# Altium PCB SAMD21_Xplained_Pro.PcbDoc (part 1 of 2) (continued)
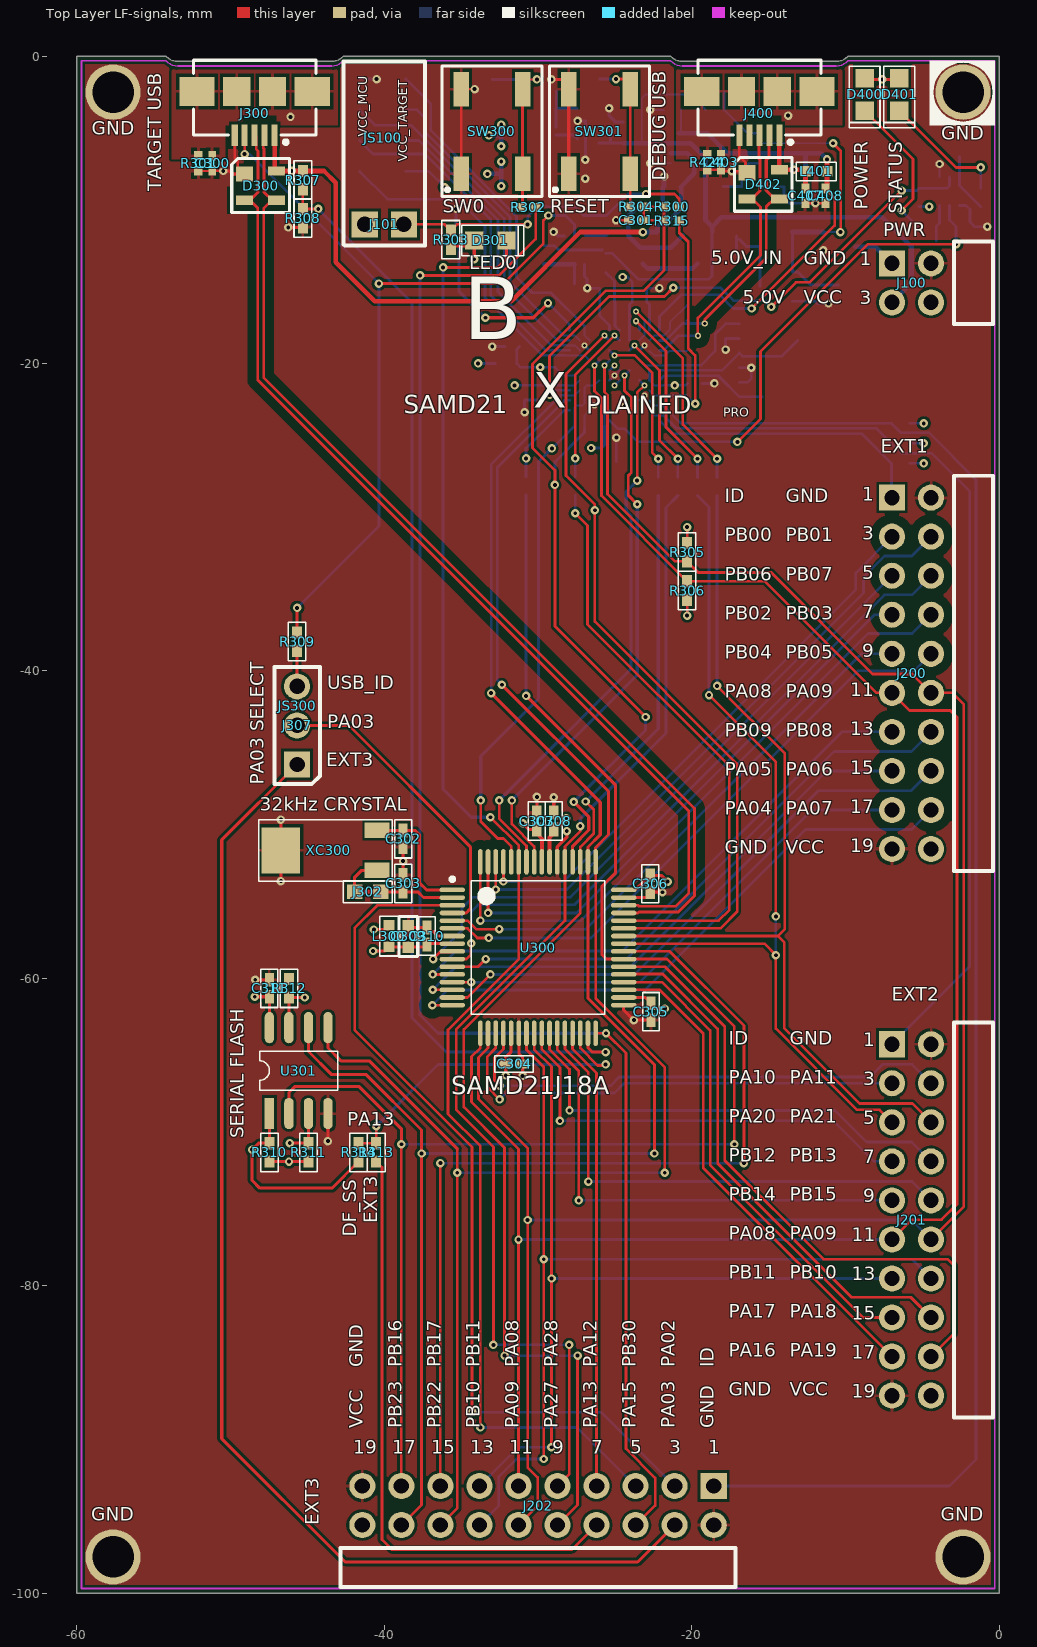
[diagram p0: Top Layer LF-signals view]
## Footprints (in the part's own frame and the unit in brackets; to place one, negate y for a bottom-side part, rotate by r counter-clockwise, add the part's x,y. Pads: shape width x height; smd on the part's side, far side on the other; paste and mask are expansions set on the pad)
AP1-00001 [mm] "Standard 0402 SMD capacitor footprint"
  rect 0.9x0.6 smd: 1(-0.55,0) 2(0.55,0)
  silkscreen extent -1.25,-0.55 1.25,0.55, body extent -0.5,-0.3 0.5,0.3, height 0.2
AP1-00036 [mm] "SMD capacitors: 3216-18 EIA Case 1206, polarized"
  rect 0.95x1.75 smd: 1(-1.475,0) 2(1.475,0)
  silkscreen extent -2.95,-1.12 2.2,1.12, body extent -1.6,-0.8 1.6,0.8, height 1
AP1-00039 [mil] "Capacitor 0603 Hight 0.8mm"
  rect 30x30 smd: 1(-27.5,0) 2(27.5,0)
  silkscreen extent -52,-24 51,24, body extent -31,-16 32,16, height 12
AP1-00053 [mm] "Chip Capacitor, 2-Leads, Body 1.0x0.5mm, IPC High Density"
  rect 0.65x0.5 smd: 1(-0.475,0) 2(0.475,0)
  body extent -0.5,-0.3 0.5,0.3, height 0.2
AP2-00000 [mm] "Standard 0402 SMD resistor footprint"
  rect 0.8x0.65 smd: 1(-0.6,0) 2(0.6,0)
  silkscreen extent -1.25,-0.58 1.25,0.58, body extent -0.5,-0.3 0.5,0.3, height 0.2
AP2-00011 [mm] "Chip Resistor, 2-Leads, Body 1,0x0,5mm, IPC High Density"
  rect 0.6x0.55 smd: 1(-0.5,0) 2(0.5,0)
  body extent -0.5,-0.3 0.5,0.3, height 0.2
AP3-00005 [mm]
  rect 0.7x0.7 smd: 1(-0.7,0) 2(0.7,0)
  silkscreen extent -1.3,-0.6 1.3,0.6, body extent -0.83,-0.41 0.82,0.41, height 0.8
AP4-00001 [mm]
  rect 1.1x1 smd: 1(0,0)
  rect 1.1x0.6 smd: 2(0,-1.7) 3(2.1,-1.7) 4(2.1,0.2)
  silkscreen extent -0.82,-2.5 2.93,1, body extent -0.13,-2.2 2.23,0.7, height 1.21
AP4-00013 [mm] "0805 diode footprint"
  rect 1.2x1.2 smd: 1(-1.05,0) 2(1.05,0)
  silkscreen extent -2.16,-1 1.85,1, body extent -1,-0.63 1,0.63, height 1.1
AP5-00001 [mm]
  rect 0.85x0.35 smd: 1(-0.925,0.65) 2(-0.925,0) 3(-0.925,-0.65) 4(0.925,-0.65) 5(0.925,0) 6(0.925,0.65)
  silkscreen extent -1.6,-1.35 1.6,1.35, body extent -1.05,-1 1.05,1, height 0.95
AP5-00002 [mm] "SOT-23 Package"
  rect 1.3x0.6 smd: 1(-1.05,0.95) 2(-1.05,-0.95) 3(1.05,0)
  silkscreen extent -1.95,-1.78 1.95,1.78, body extent -1.25,-1.46 1.23,1.46, height 1
AP6-00054 [mm]
  rect 1.7x0.35 smd: 1(-2.85,0.975) 2(-2.85,0.325) 3(-2.85,-0.325) 4(-2.85,-0.975) 5(2.85,-0.975) 6(2.85,-0.325) 7(2.85,0.325) 8(2.85,0.975)
  silkscreen extent -2.98,1.58 -2.73,1.82, body extent -3.23,-1.55 3.23,1.55, height 1.25
AP6-00173 [mm] "TSQFP, 64-Leads, Body 12.0x12.0mm (max), Pitch 0.50mm, IPC Medium Density"
  oval 1.65x0.3 smd: 1(-5.575,3.75) 2(-5.575,3.25) 3(-5.575,2.75) 4(-5.575,2.25) 5(-5.575,1.75) 6(-5.575,1.25) 7(-5.575,0.75) 8(-5.575,0.25) 9(-5.575,-0.25) 10(-5.575,-0.75) 11(-5.575,-1.25) 12(-5.575,-1.75) 13(-5.575,-2.25) 14(-5.575,-2.75) 15(-5.575,-3.25) 16(-5.575,-3.75) 33(5.575,-3.75) 34(5.575,-3.25) 35(5.575,-2.75) 36(5.575,-2.25) 37(5.575,-1.75) 38(5.575,-1.25) 39(5.575,-0.75) 40(5.575,-0.25) 41(5.575,0.25) 42(5.575,0.75) 43(5.575,1.25) 44(5.575,1.75) 45(5.575,2.25) 46(5.575,2.75) 47(5.575,3.25) 48(5.575,3.75)
  oval 0.3x1.65 smd: 17(-3.75,-5.575) 18(-3.25,-5.575) 19(-2.75,-5.575) 20(-2.25,-5.575) 21(-1.75,-5.575) 22(-1.25,-5.575) 23(-0.75,-5.575) 24(-0.25,-5.575) 25(0.25,-5.575) 26(0.75,-5.575) 27(1.25,-5.575) 28(1.75,-5.575) 29(2.25,-5.575) 30(2.75,-5.575) 31(3.25,-5.575) 32(3.75,-5.575) 49(3.75,5.575) 50(3.25,5.575) 51(2.75,5.575) 52(2.25,5.575) 53(1.75,5.575) 54(1.25,5.575) 55(0.75,5.575) 56(0.25,5.575) 57(-0.25,5.575) 58(-0.75,5.575) 59(-1.25,5.575) 60(-1.75,5.575) 61(-2.25,5.575) 62(-2.75,5.575) 63(-3.25,5.575) 64(-3.75,5.575)
  silkscreen extent -5.7,-4.35 4.35,4.57, body extent -6,-6 6,6, height 1.2
AP6-00206 [mm] "100 ball (10x10 array) VFBGA. Pitch 0.65 mm. Width: 7 mm. Length: 7mm. Height: 1 mm"
  round 0.28 smd: A1(-2.925,2.925) A2(-2.275,2.925) A3(-1.625,2.925) A4(-0.975,2.925) A5(-0.325,2.925) A6(0.325,2.925) A7(0.975,2.925) A8(1.625,2.925) A9(2.275,2.925) A10(2.925,2.925) B1(-2.925,2.275) B2(-2.275,2.275) B3(-1.625,2.275) B4(-0.975,2.275) B5(-0.325,2.275) B6(0.325,2.275) B7(0.975,2.275) B8(1.625,2.275) B9(2.275,2.275) B10(2.925,2.275) C1(-2.925,1.625) C2(-2.275,1.625) C3(-1.625,1.625) C4(-0.975,1.625) C5(-0.325,1.625) C6(0.325,1.625) C7(0.975,1.625) C8(1.625,1.625) C9(2.275,1.625) C10(2.925,1.625) D1(-2.925,0.975) D2(-2.275,0.975) D3(-1.625,0.975) D4(-0.975,0.975) D5(-0.325,0.975) D6(0.325,0.975) D7(0.975,0.975) D8(1.625,0.975) D9(2.275,0.975) D10(2.925,0.975) E1(-2.925,0.325) E2(-2.275,0.325) E3(-1.625,0.325) E4(-0.975,0.325) E5(-0.325,0.325) E6(0.325,0.325) E7(0.975,0.325) E8(1.625,0.325) E9(2.275,0.325) E10(2.925,0.325) F1(-2.925,-0.325) F2(-2.275,-0.325) F3(-1.625,-0.325) F4(-0.975,-0.325) F5(-0.325,-0.325) F6(0.325,-0.325) F7(0.975,-0.325) F8(1.625,-0.325) F9(2.275,-0.325) F10(2.925,-0.325) G1(-2.925,-0.975) G2(-2.275,-0.975) G3(-1.625,-0.975) G4(-0.975,-0.975) G5(-0.325,-0.975) G6(0.325,-0.975) G7(0.975,-0.975) G8(1.625,-0.975) G9(2.275,-0.975) G10(2.925,-0.975) H1(-2.925,-1.625) H2(-2.275,-1.625) H3(-1.625,-1.625) H4(-0.975,-1.625) H5(-0.325,-1.625) H6(0.325,-1.625) H7(0.975,-1.625) H8(1.625,-1.625) H9(2.275,-1.625) H10(2.925,-1.625) J1(-2.925,-2.275) J2(-2.275,-2.275) J3(-1.625,-2.275) J4(-0.975,-2.275) J5(-0.325,-2.275) J6(0.325,-2.275) J7(0.975,-2.275) J8(1.625,-2.275) J9(2.275,-2.275) J10(2.925,-2.275) K1(-2.925,-2.925) K2(-2.275,-2.925) K3(-1.625,-2.925) K4(-0.975,-2.925) K5(-0.325,-2.925) K6(0.325,-2.925) K7(0.975,-2.925) K8(1.625,-2.925) K9(2.275,-2.925) K10(2.925,-2.925)
  silkscreen extent -4.15,-4.15 4.15,4.15, body extent -3.5,-3.5 3.5,3.5, height 1.01
AP6-00338 [mm] "8-lead 3.0x2.0 mm Body, 0.50 mm Pitch,  VDFN, Very Thin, Dual Flat No-Lead Package"
  round 0.4 on Bottom Paste: 0(-0.425,-0.4) 0(-0.425,0.4) 0(0,0) 0(0.425,-0.4) 0(0.425,0.4)
  rect 0.6x0.25 smd: 1(-1.4,0.75) 2(-1.4,0.25) 3(-1.4,-0.25) 4(-1.4,-0.75) 5(1.4,-0.75) 6(1.4,-0.25) 7(1.4,0.25) 8(1.4,0.75)
  rect 1.6x1.5 smd paste-0.7: 9(0,0)
  silkscreen extent -2.26,-1.3 2.2,1.33, body extent -1.53,-1 1.53,1, height 0.92
AP7-00039 [mm] "FOX FQ5032B"
  rect 1.6x1.3 smd: 1(-1.9,-1.15) 2(1.9,-1.15) 3(1.9,1.15) 4(-1.9,1.15)
  silkscreen extent -3,-2.1 3,2.1, body extent -2.7,-1.8 2.7,1.8, height 1.2
AP7-00044 [mm]
  rect 1x1.6 smd: 1(-1.3,0) 2(1.3,0)
  rect 3x2.5 smd: 3(0,6.25)
  silkscreen extent -2,-1 2,7.7, body extent -1.5,-0.7 1.5,7.4, height 2.08
AP8-00010#1 [mm] "Testpad 50mil"
  round 1.27 smd paste-0.635: 1(0.025,0.175)
AP8-00010#2 [mm] "Testpad 50mil"
  round 1.27 smd paste-0.635: 1(0,0)
AP8-00137 [mm]
  rect 2.25x1 smd: 1(-2.75,2) 2(2.75,2) 3(-2.75,-2) 4(2.75,-2)
  silkscreen extent -4.25,-3.25 4.25,3.25, body extent -3.4,-3.21 3.4,3.22, height 3.47
AP8-00192 [mm]
  silkscreen extent -4,-4 4,4, body extent -3.97,-3.99 4,3.99, height 2.79
AP8-00317 [mm] "Placement area for 18x6mm sticker"
  silkscreen extent 0,0 18,6
AP8-00367 [mm] "1x2 pin header, right angle, 2.54 mm pitch, through-hole"
  rect 1.7x1.7 / inner round 1.7 / far side round 1.7 hole 1: 1(-1.27,0) 2(1.27,0)
  silkscreen extent -2.65,-1.38 2.66,10.6, body extent -2.54,-0.33 2.54,9.99, height 2.55
AP8-00417 [mil]
  rect 24x80 smd: 1(0,0)
  oval 24x80 smd: 2(50,0) 3(100,0) 4(150,0) 5(150,220) 6(100,220) 7(50,220) 8(0,220)
  silkscreen extent -25,60 175,160, body extent -22,-6 171,222, height 57
AP8-00525 [mm] "Jumper 2.54mm, 3D"
  body extent -2.49,0 2.49,5.97, height 2.52
AP8-00604 [mm] "Micro USB connector SMD"
  rect 0.4x1.4 smd: 1(-1.3,2.85) 2(-0.65,2.85) 3(0,2.85) 4(0.65,2.85) 5(1.3,2.85)
  rect 2.3x1.9 smd: 6(-3.75,0) 9(3.75,0)
  rect 1.775x1.9 smd: 7(-1.162,0) 8(1.162,0)
  silkscreen extent -4,-2.02 3.99,3.42, body extent -4.4,-2.77 4.4,2.86, height 2.76
AP8-00622 [mm] "2x10 Right angle 2.54mm THM"
  rect 1.7x1.7 / inner round 1.7 / far side rect 1.7x1.7 hole 1: 1(-11.43,-1.27)
  rect 2.1x2.1 on Top Paste: 1(-11.43,-1.27) 2(-11.43,1.27) 3(-8.89,-1.27) 4(-8.89,1.27) 5(-6.35,-1.27) 6(-6.35,1.27) 7(-3.81,-1.27) 8(-3.81,1.27) 9(-1.27,-1.27) 10(-1.27,1.27) 11(1.27,-1.27) 12(1.27,1.27) 13(3.81,-1.27) 14(3.81,1.27) 15(6.35,-1.27) 16(6.35,1.27) 17(8.89,-1.27) 18(8.89,1.27) 19(11.43,-1.27) 20(11.43,1.27)
  round 1.7 hole 1: 2(-11.43,1.27) 3(-8.89,-1.27) 4(-8.89,1.27) 5(-6.35,-1.27) 6(-6.35,1.27) 7(-3.81,-1.27) 8(-3.81,1.27) 9(-1.27,-1.27) 10(-1.27,1.27) 11(1.27,-1.27) 12(1.27,1.27) 13(3.81,-1.27) 14(3.81,1.27) 15(6.35,-1.27) 16(6.35,1.27) 17(8.89,-1.27) 18(8.89,1.27) 19(11.43,-1.27) 20(11.43,1.27)
  silkscreen extent -12.85,2.77 12.85,5.31, body extent -12.7,-1.59 12.7,11.29, height 5
AP8-00628 [mm] "2x2 Right angle 2.54mm THM"
  rect 1.7x1.7 / inner round 1.7 / far side rect 1.7x1.7 hole 1: 1(-1.27,-1.27)
  rect 2.1x2.1 on Top Paste: 1(-1.27,-1.27) 2(-1.27,1.27) 3(1.27,-1.27) 4(1.27,1.27)
  round 1.7 hole 1: 2(-1.27,1.27) 3(1.27,-1.27) 4(1.27,1.27)
  silkscreen extent -2.69,2.77 2.67,5.31, body extent -2.54,-1.52 2.54,11.36, height 5
AP8-00745 [mm] "THM Pin-header 1x3 100mil pitch, 1mm hole"
  rect 1.7x1.7 / inner round 1.7 / far side rect 1.7x1.7 hole 1: 1(-2.54,0)
  rect 2.1x2.1 on Top Paste: 1(-2.54,0) 2(0,0) 3(2.54,0)
  round 1.7 hole 1: 2(0,0) 3(2.54,0)
  silkscreen extent -3.81,-1.48 3.81,1.48, body extent -3.81,-1.27 3.81,1.27, height 8.38
AP9-00044 [mm]
  rect 1x0.95 smd paste-1: 1(-0.85,0) 2(0.85,0)
  Top Layer LF-signals region: -0.45,-0.15 0.45,-0.15 0.45,0.15 -0.45,0.15
  silkscreen extent -1.6,-0.72 1.6,0.72, body extent -0.8,-0.4 0.8,0.4, height 0.3

## Part data
C100: library part A01-0324, "SMD tantalum capacitor, ESR = 1.7, 3216-18 (EIA) 1206,"
C101: library part A01-0377, "Ceramic capacitor, SMD 0603, X5R, 10V, 10% (de31036)"
C102 C103 C301 C304 C305 C306 C307 C310 C311 C404 C410 C411 C412 C413: library part A01-0246, "Ceramic capacitor, SMD 0402, X7R, 16V, +/-10%"
C300 C403: library part A01-0046, "Ceramic capacitor, SMD 0402, X7R, 25V, +/-10%"
C302 C303: library part A01-0013, "Ceramic capacitor, SMD 0402, NP0, 50V, +/-5%"
C308: library part A01-0286, "Ceramic capacitor, SMD 0402, X5R, 6.3V, +/-10% (de26942)"
C309: library part A01-0491, "Ceramic capacitor, SMD 0603, X5R, 16V, 10UF ± 20% (High Density)"
C400 C401: library part A01-0019, "Ceramic capacitor, SMD 0402, NP0, 50V, +/-5%"
C402: library part A01-0015, "Ceramic capacitor, SMD 0402, NP0, 50V, +/-5%"
C405 C409 C414 C415: library part A01-0300, "Ceramic capacitor, SMD 0402, X5R, 6.3V, +/-20%"
C406 C407 C408: library part A01-0321, "Ceramic capacitor, SMD 0402, C0G, 50V, +/-5%"
D300 D402: library part A06-0236, "Double rail-to-rail USB ESD protection diode"
D301 D401: library part A10-0019, "LED, Yellow, Wave length=591nm, SMD 0805, ±70°"
D400: library part A10-0018, "LED, Green, Wave length=575nm, SMD 0805, ±70°"
E1 E2 E3 E4: library part A08-0053, "2.8mm adhesive feet,diam 8.0mm"
J100: library part A08-1519, "Pin header, 2x2, Right Angle, 2.54mm, THT, Pin In Paste"
J101: library part A08-0764, "1x2 pin header, right angle, 2.54 mm pitch, through-hole"
J200 J201 J202: library part A08-1513, "Pin header, 2x10, Right Angle, 2.54mm, THM, Pin In Paste"
J300 J400: library part A08-1368, "Micro USB AB Connector"
J302: library part A09-0783, "Default closed SMD strap, 0603 size"
J307: library part A08-1799, "1x3 pin header, 2.54mm pitch, Pin-in-Paste THM, 1mm hole"
JS100 JS300: library part A08-0543, "Jumper cap for 2.54mm pinheader"
L300 L401 L402: library part A03-0035, "SMD RF inductor 0603. Z=470Ohm (@100MHz), Max R(dc)=0.65Ohm, Max current=1A"
LABEL1: library part A09-0611, "PCBA identification label PP Top White Gloss"
Q100 Q101 Q103 Q104: library part A05-0087, "P-ch. MOSFET. -30V, -3.7A continuous,RDS(ON)=0.05Ohm@VGS=-4,5V, RDS(ON)=0.08Ohm@VGS=-2.5V"
Q102: library part A05-0085, "N-Channel MOSFET. 60V, 0.300A continuous, 1.2A Peak. RDS(ON) = 3.8Ohm@VGS=4.5V, VGS(th)<2.5V"
Q105 Q400: library part A05-0051, "Dual N-Channel MOSFET, 60V, 115mA cont,RDS(ON) < 7.5 Ohm @50mA@5V, SOT-363"
R100: library part A02-0242, "Thick film resistor, SMD 0402, 1/16W, 1%"
R101 R104 R105 R301 R410 R413 R424: library part A02-0284, "Thick film resistor, SMD 0402, 1/16W, 1%"
R102 R307: library part A02-0247, "Thick film resistor, SMD 0402, 1/16W, 1%"
R103 R107 R111 R112 R300 R310 R311 R312: library part A02-0260, "Thick film resistor, SMD 0402, 1/16W, 1%"
R106: library part A02-0202, "Thick film resistor, SMD 0402, 1/16W, 1%"
R108 R425: library part A02-0163, "Thick film resistor, SMD 0402, 1/16W, 1%"
R109 R110 R113 R308: library part A02-0252, "Thick film resistor, SMD 0402, 1/16W, 1%"
R302 R304 R315 R421 R422: library part A02-0178, "Thick film resistor, SMD 0402, 1/16W, 1%"
R303 R309 R411 R412 R414 R416 R417 R418 R419 R420: library part A02-0200, "Thick film resistor, SMD 0402, 1/16W, 1%"
R305 R306: library part A02-0228, "Thick film resistor, SMD 0402, 1/16W, 1%"
R313 R314: library part A02-0163, "RES 0.0 OHM 1/16W 0402 SMD"
R401 R402 R409: library part A02-0212, "Thick film resistor, SMD 0402, 1/16W, 1%"
R423: library part A02-0539, "Thick film resistor, SMD 0402, 1/16W, 1%"
SW300 SW301: library part A08-0790, "6.2x6.2 mm SMD tact switch, same as A08-0091 but less force is needed"
TP300 TP301 TP400 TP401 TP402 TP403 TP404 TP405 TP406 TP407: library part A08-0004, "Single SMD testpad"
U100: library part A06-0957, "500mA LDO, ADJ, low noise, 8-DFN package"
U101: library part A06-0068, "Autoswitching 2:1 Power Mux"
U300: library part A06-1041, "Atmel 32-bit RISC MCU 64pin"
U301: library part A06-1051, "8Mbit SPI serial flash memory"
U400: library part A06-0736, "AVR 32-bit RISC MCU"
XC300: library part A07-0052, "32k768 crystal, +-20ppm, CL=7pF, max ESR 60kOhm, SMD"
XC400: library part A07-0042, "Fox FQ5032B 12.0MHz SMD crystal 738B-12"

## Free pads (board coordinates)
  round 0.8 smd far side paste-1: 3(-31.2,-3.425) 3(-28.8,-2.275) 3(-27.625,-14.825) 3(-25.575,-14.1) 3(-23.575,-9.875) 3(-21.4,-13.825) 3(-18.9,-19.65) 3(-17.95,-8.5) 3(-17.9,-2.3) 3(-17.1,-12.95) 3(-14.075,-6.325) 3(-10.475,-14.9) 3(-4.1,-12.025) 3(-2.575,-6.55)
  round 3.6 hole 2.7 paste-2.6: 666(-57.65,-97.65) 666(-57.65,-2.35) 666(-2.35,-97.65) 666(-2.35,-2.35)

## Via types
v1: diameter 0.55, hole 0.25, Top Layer LF-signals to Bottom Layer LF-signals, 70 vias
v2: diameter 0.55, hole 0.25, Top Layer LF-signals to Bottom Layer LF-signals, tented both sides, 42 vias
v3: diameter 0.55/0.8 (per signal layer), hole 0.25, Top Layer LF-signals to Bottom Layer LF-signals, tented top, 32 vias
v4: diameter 0.55, hole 0.25, Top Layer LF-signals to Bottom Layer LF-signals, tented top, 32 vias
v5: diameter 0.4, hole 0.2, Top Layer LF-signals to Bottom Layer LF-signals, tented both sides, 12 vias
v6: diameter 0.4, hole 0.2, Top Layer LF-signals to Bottom Layer LF-signals, tented top, 8 vias

## Nets (pads, with @x,y where several pads share a name; then routed paths per layer and width w, separated by ;. In a path a pad name is that pad's centre, name@x,y a point inside that pad or via, vN(x,y) a via of type N, cw(c..) or ccw(c..) an arc to the next point about the centre after c; other vN are vias at no path point)
DGI_GPIO0: R416.2 U400.F8 | length 10.3
  Top Layer LF-signals w0.175: v5(-25.025,-19.475) -23.7,-19.475 -22.575,-20.6 -22.575,-25.8 v3(-22.175,-26.2)
  Bottom Layer LF-signals w0.175: U400.F8@-25.35,-19.15 v5(-25.025,-19.475) ; R416.2@-22.175,-27.4 v3(-22.175,-26.2)
DGI_GPIO1: R417.2 U400.D8 | length 10.2
  Top Layer LF-signals w0.125: v3@-20.886,-26.2 v3@-20.875,-26.2
  Top Layer LF-signals w0.175: v5(-23.725,-18.825) -22.1,-20.45 -22.1,-25 v3(-20.9,-26.2)
  Bottom Layer LF-signals w0.175: U400.D8@-24.05,-19.15 v5(-23.725,-18.825) ; R417.2@-20.9,-27.4 v3(-20.9,-26.2)
DGI_GPIO2: R418.2 U400.C10 | length 12.5
  Top Layer LF-signals w0.175: v5(-23.625,-17.25) -21.675,-19.2 -21.675,-24.15 v3(-19.625,-26.2)
  Bottom Layer LF-signals w0.175: v5(-23.625,-17.25) -23.4,-17.475 U400.C10@-23.4,-17.85 ; R418.2@-19.625,-27.4 v3(-19.625,-26.2)
DGI_GPIO3: R419.2 U400.C9 | length 15.2
  Top Layer LF-signals w0.175: v5(-23.625,-16.625) -20.575,-19.675 -20.575,-23.975 v3(-18.35,-26.2)
  Bottom Layer LF-signals w0.125: v5(-23.625,-16.625) -23.075,-17.175 -23.075,-18.175 U400.C9@-23.4,-18.5
  Bottom Layer LF-signals w0.175: R419.2@-18.35,-27.4 v3(-18.35,-26.2)
EDBG_ADC0: R109.1 R110.2 U400.K10 | length 13.8
  Top Layer LF-signals w0.2: v3(-33.425,-17.025) -30.3,-17.025 v2(-29.35,-16.075)
  Bottom Layer LF-signals w0.175: v2(-29.35,-16.075) -27.95,-17.475 U400.K10@-27.95,-17.85
  Bottom Layer LF-signals w0.2: R109.1@-36.6,-12.15 R110.2@-35.325,-12.15 -35.154,-12.321 -35.154,-15.296 v3(-33.425,-17.025)
EDBG_CDC_USART_RX: U300.43 U400.F9 | length 51.4
  Top Layer LF-signals w0.175: v6(-25.675,-18.175) -28.175,-20.675 -28.175,-27.299 -26.3,-29.174 v3(-26.3,-29.55) -26.3,-36.8 -17.046,-46.054 -17.046,-55.671 -18.125,-56.75 U300.43@-24.425,-56.75
  Bottom Layer LF-signals w0.175: v6(-25.675,-18.175) U400.F9@-25.35,-18.5
EDBG_CDC_USART_TX: R414.2 U400.E9 | length 10.7
  Top Layer LF-signals w0.175: v3(-27.575,-26.175) -27.575,-20.725 v6(-25.025,-18.175)
  Bottom Layer LF-signals w0.175: R414.2@-27.575,-27.375 v3(-27.575,-26.175) ; v6(-25.025,-18.175) U400.E9@-24.7,-18.5
EDBG_DGI_SCL: J200.12@-4.43,-41.43 J201.12@-4.43,-76.99 J202.12@-31.27,-95.57 R305.1 U300.18 U400.F7 | length 134.6
  Top Layer LF-signals w0.175: U300.18@-33.25,-63.575 -33.25,-64.525 -33.875,-65.15 -33.875,-67.85 -30.675,-71.05 v2(-30.675,-75.725) -30.675,-91.825 -30.025,-92.475 -30.025,-94.325 J202.12@-31.27,-95.57 ; v5(-25.675,-20.125) -25.675,-21.85 -25.475,-22.05 -25.475,-28.5 -21.1,-32.875 R305.1@-20.3,-32.875 -19.575,-33.6 -14.825,-33.6 -8.225,-40.2 -5.66,-40.2 J200.12@-4.43,-41.43 -3.045,-41.43 -2.3,-42.175 -2.3,-74.86 J201.12@-4.43,-76.99
  Bottom Layer LF-signals w0.175: v2(-30.675,-75.725) -5.695,-75.725 J201.12@-4.43,-76.99 ; v5(-25.675,-20.125) U400.F7@-25.35,-19.8
EDBG_DGI_SDA: J200.11@-6.97,-41.43 J201.11@-6.97,-76.99 J202.11@-31.27,-93.03 R306.1 U300.17 U400.G7 | length 130.3
  Top Layer LF-signals w0.175: U300.17@-33.75,-63.575 -33.75,-64.525 -34.325,-65.1 -34.325,-68.05 -31.27,-71.105 v2(-31.27,-77) J202.11@-31.27,-93.03 ; v5(-26.325,-20.125) -26.325,-21.8 -25.875,-22.25 -25.875,-28.6 R306.1@-20.3,-34.175 -15.225,-34.175 -7.97,-41.43 J200.11@-6.97,-41.43 -5.825,-42.575 -3.18,-42.575 -2.743,-43.012 -2.743,-74.701 -3.742,-75.7 -5.68,-75.7 J201.11@-6.97,-76.99
  Bottom Layer LF-signals w0.175: v2(-31.27,-77) -31.26,-76.99 J201.11@-6.97,-76.99 ; v5(-26.325,-20.125) U400.G7@-26,-19.8
EDBG_FORCE_BOOT: TP401.1 U400.H9 | length 22.7
  Bottom Layer LF-signals w0.125: -26.976,-17.574 -26.976,-18.174 U400.H9@-26.65,-18.5
  Bottom Layer LF-signals w0.175: TP401.1@-38.6,-1.5 -36.968,-3.132 -36.968,-4.857 -31.4,-10.425 -31.4,-14.375 -30.375,-15.4 -29.15,-15.4 -26.976,-17.574
EDBG_JTAG_TCK: TP402.1 U400.K9 | length 22.5
  Bottom Layer LF-signals w0.175: TP402.1@-41.6,-3.5 -40.6,-4.5 -38.275,-4.5 -32.2,-10.575 -32.2,-15.025 -28.725,-18.5 U400.K9@-27.95,-18.5
EDBG_JTAG_TDI: TP403.1 U400.K8 | length 22.2
  Bottom Layer LF-signals w0.175: TP403.1@-41.6,-5.5 -40.725,-6.375 -37.339,-6.375 -33.075,-10.639 -33.075,-15.566 -29.491,-19.15 U400.K8@-27.95,-19.15
EDBG_JTAG_TDO: TP404.1 U400.J8 | length 19.7
  Bottom Layer LF-signals w0.125: -28.2,-18.825 -27.625,-18.825 U400.J8@-27.3,-19.15
  Bottom Layer LF-signals w0.175: TP404.1@-38.6,-5.5 -37.754,-5.5 -32.6,-10.654 -32.6,-15.35 -29.125,-18.825 -28.2,-18.825
EDBG_JTAG_TMS: TP405.1 U400.H7 | length 22.8
  Bottom Layer LF-signals w0.125: -28.225,-19.475 -26.975,-19.475 U400.H7@-26.65,-19.8
  Bottom Layer LF-signals w0.175: TP405.1@-41.6,-7.5 -39.787,-9.313 -35.238,-9.313 -33.45,-11.1 -33.45,-15.725 -29.7,-19.475 -28.225,-19.475
EDBG_RESET_N: TP406.1 U400.J9 | length 20.5
  Bottom Layer LF-signals w0.125: -28.35,-18.175 -27.625,-18.175 U400.J9@-27.3,-18.5
  Bottom Layer LF-signals w0.175: TP406.1@-38.6,-3.5 -37.875,-3.5 -37.379,-3.996 -37.379,-4.921 -31.825,-10.475 -31.825,-14.7 -28.35,-18.175
EDBG_SPI_DGI_MISO: R420.1 U400.K2 | length 5.7
  Bottom Layer LF-signals w0.175: R420.1@-30.775,-27.375 v3(-30.775,-26.175) -30.775,-25.525 -28.3,-23.05 U400.K2@-27.95,-23.05
EDBG_SPI_DGI_MOSI: J202.16@-36.35,-95.57 U300.49 U301.5 U400.K3 | length 108.5
  Top Layer LF-signals w0.175: J202.16@-36.35,-95.57 -35.25,-94.47 v2(-35.25,-72.65) -35.25,-71.1 ; U300.49@-26.25,-52.425 -26.25,-61.3 -25.125,-62.425 -21.75,-65.8 v2(-21.75,-72.65)
  Top Layer LF-signals w0.2: U301.5@-43.665,-63.212 -43.665,-64.535 -42.825,-65.375 -40.975,-65.375 -35.25,-71.1 ; v1(-32.35,-40.9) -25.412,-47.837 -25.412,-50.65 -26.25,-51.488 U300.49@-26.25,-52.425
  Bottom Layer LF-signals w0.175: v2(-35.25,-72.65) v2(-21.75,-72.65) ; v1(-32.35,-40.9) -32.65,-40.6 -32.65,-26.775 -28.275,-22.4 U400.K3@-27.95,-22.4
EDBG_SPI_DGI_SCK: J202.18@-38.89,-95.57 U300.50 U301.6 U400.J4 | length 110.1
  Top Layer LF-signals w0.175: J202.18@-38.89,-95.57 -37.575,-94.255 v2(-37.575,-71.4) ; U300.50@-26.75,-52.425 -26.75,-61.3 -22.425,-65.625 v2(-22.425,-71.4)
  Top Layer LF-signals w0.2: U301.6@-44.935,-63.212 -44.935,-64.765 -43.45,-66.25 -41.2,-66.25 -37.575,-69.875 v2(-37.575,-71.4) ; v1(-33.05,-41.45) -25.95,-48.55 -25.95,-50.66 -26.75,-51.46 U300.50@-26.75,-52.425
  Bottom Layer LF-signals w0.125: -28.2,-22.075 -27.625,-22.075 U400.J4@-27.3,-21.75
  Bottom Layer LF-signals w0.175: v2(-37.575,-71.4) v2(-22.425,-71.4) ; v1(-33.05,-41.45) -33.05,-26.575 -28.55,-22.075 -28.2,-22.075
EDBG_SPI_DGI_SS: U300.60 U400.G5 | length 36.1
  Top Layer LF-signals w0.175: v1(-33.725,-48.425) -33.725,-49.8 -32.619,-50.906 -32.244,-50.906 -31.75,-51.4 U300.60@-31.75,-52.425
  Bottom Layer LF-signals w0.125: -27.625,-24.075 -27.625,-22.85 -27.5,-22.725 -27.1,-22.725 -26.975,-22.6 -26.975,-21.575 -26.825,-21.425 -26.325,-21.425 U400.G5@-26,-21.1
  Bottom Layer LF-signals w0.175: v3(-29.1,-25.525) -29.075,-25.525 -27.625,-24.075
  Bottom Layer LF-signals w0.2: v1(-33.725,-48.425) -33.725,-45.561 -29.972,-41.808 -29.972,-26.397 v3(-29.1,-25.525)
EDBG_USB_FS_N: R421.2 U400.B9 | length 3.7
  Bottom Layer LF-signals w0.125: U400.B9@-22.751,-18.524 -22.402,-18.175 -21.8,-18.175 -21.4,-17.775 -21.4,-17.3 R421.2@-20.3,-16.2
EDBG_USB_FS_P: R422.2 U400.B8 | length 2.7
  Bottom Layer LF-signals w0.125: U400.B8@-22.751,-19.174 -22.448,-19.476 -21.726,-19.476 -21.45,-19.2 R422.2@-20.3,-19.2
EDBG_USB_HS_N: D402.3 J400.2 R421.1 U400.A9 | length 18.1
  Top Layer LF-signals w0.18: v6(-19.15,-17.4) -19.15,-17.137 -15.15,-13.137 -15.15,-9.8 -14.65,-9.3 D402.3@-14.3,-9.3
  Top Layer LF-signals w0.2: J400.2@-14.964,-5.672 -14.964,-6.575 -15.15,-6.761 -15.15,-8.75 D402.3@-14.5,-9.4
  Bottom Layer LF-signals w0.18: U400.A9@-22.1,-18.5 -21.712,-18.5 -21.032,-17.82 -21.03,-17.82 -20.61,-17.4 R421.1@-20.1,-17.4 ; R421.1@-20.3,-17.2 R421.1@-20.1,-17.4 ; v6(-19.15,-17.4) R421.1@-20.1,-17.4
EDBG_USB_HS_P: D402.2 J400.3 R422.1 U400.A8 | length 18
  Top Layer LF-signals w0.18: v6(-19.6,-18.2) -19.6,-17.05 -15.53,-12.98 -15.53,-9.82 -16.05,-9.3 D402.2@-16.4,-9.3
  Top Layer LF-signals w0.2: D402.2@-16.05,-9.25 -15.55,-8.75 -15.55,-6.764 -15.614,-6.7 J400.3@-15.614,-5.672
  Bottom Layer LF-signals w0.18: U400.A8@-22.1,-19.15 -21.825,-19.15 -20.875,-18.2 R422.1@-20.3,-18.2 v6(-19.6,-18.2) v6@-19.7,-18.2
GND: C100.2 C101.2 C102.2 C103.2 C300.1 C301.2 C302.2 C303.2 C304.2 C305.2 C306.2 C307.2 C308.2 C309.2 C310.2 C311.2 C400.2 C401.2 C402.2 C403.1 C404.2 C405.2 C406.2 C407.2 C408.2 C409.2 C410.2 C411.2 C412.2 C413.2 C414.2 C415.2 D300.1 D402.1 J100.2@-4.43,-13.49 J200.2@-4.43,-28.73 J200.19@-6.97,-51.59 J201.2@-4.43,-64.29 J201.19@-6.97,-87.15 J202.2@-18.57,-95.57 J202.19@-41.43,-93.03 J300.5 J400.5 pad.666 Q100.1 Q102.2 Q105.1 Q105.4 Q400.1 Q400.4 R100.2 R104.1 R105.1 R106.1 R107.1 R110.1 R301.1 R308.1 R413.1 R423.1 R424.1 SW300.1 SW300.2 SW301.1 SW301.2 TP400.1 U100.7 U100.9 U101.5 U300.7 U300.22 U300.33 U300.47 U300.54 U301.4 U400.B10 U400.C3 U400.C8 U400.E2 U400.E6 U400.F5 U400.F10 U400.H3 U400.H8 XC300.3 | length 98.6
  Top Layer LF-signals w0.125: R301.1@-52.1,-7.478 v4(-50.475,-7.478) ; SW300.2@-35,-2.15 v4(-34.125,-2.15) ; R424.1@-19.025,-7.5 R424.1@-19,-7.5 ; v4@-17.401,-7.494 v4@-17.238,-7.475
  Top Layer LF-signals w0.175: v4(-50.475,-7.478) -50.097,-7.478 -49.897,-7.678 D300.1@-49.1,-7.678 -49.525,-7.253 -49.525,-6.825 -49.734,-6.616 J300.5@-49.734,-5.15 ; v2(-46.725,-53.675) XC300.3@-46.725,-51.675 v2(-46.725,-49.675) ; SW300.1@-35,-7.65 SW300.2@-35,-2.15 ; v1(-24.925,-10.675) C301.2@-24.075,-10.675 ; R424.1@-19,-7.4 -18.125,-7.4 C403.1@-18.1,-7.375 -17.975,-7.5 v4(-17.4,-7.5) D402.1@-16.5,-7.5 ; J400.5@-16.9,-5.15 -16.9,-6.525 -16.5,-6.925 D402.1@-16.5,-7.5 ; D402.1@-16.4,-7.6 D402.1@-16.5,-7.5 ; C407.2@-12.6,-9.575 v2(-11.95,-9.575) C408.2@-11.3,-9.575
  Top Layer LF-signals w0.2: v1(-48.4,-60.1) C311.2@-47.475,-60.1 ; v1(-46.25,-11.15) R308.1@-45.3,-11.15 ; v1(-43.665,-70.59) U301.4@-43.665,-68.8 ; v1(-39.077,-57.228) -38.42,-57.228 C309.2@-38.42,-56.606 ; C303.2@-38.775,-53.275 v2(-38.775,-52.375) C302.2@-38.775,-51.475 ; C309.2@-38.45,-56.577 C309.2@-38.42,-56.606 ; U300.7@-35.575,-57.25 -36.525,-57.25 -36.825,-56.95 -36.975,-56.95 C310.2@-37.225,-56.7 -38.327,-56.7 C309.2@-38.42,-56.606 ; U300.22@-31.25,-63.575 -31.25,-64.9 -31,-65.15 C304.2@-31,-65.575 v1(-31,-66.35) ; C307.2@-30.075,-49.225 v1(-30.075,-48.2) ; v2(-29.125,-1.525) -28.15,-1.525 -28,-1.675 SW301.2@-28,-2.15 SW301.1@-28,-7.65 ; C308.2@-28.975,-49.225 v1(-28.975,-48.225) ; U300.54@-28.75,-52.425 -28.75,-51.45 -28.126,-50.826 v1(-28.126,-50.427) ; U300.33@-24.425,-61.75 -24.425,-62.062 v1(-23.762,-62.725) C305.2@-22.65,-62.725 ; U300.47@-24.425,-54.75 -22.95,-54.75 C306.2@-22.7,-54.5 ; C306.2@-22.7,-54.4 v1(-21.9,-54.4)
  Bottom Layer LF-signals w0.125: v4(-22.7,-3.5) C102.2@-21.8,-3.5 ; v4@-22.525,-6.975 U101.5@-21.35,-6.975 ; C103.2@-21.875,-8.575 C103.2@-21.8,-8.5 ; R423.1@-16.925,-18.4 R423.1@-16.9,-18.4 ; Q100.1@-11.45,-13.35 v4(-11.45,-12.65) ; Q400.1@-3.875,-7.875 v4@-3.875,-7.1
  Bottom Layer LF-signals w0.175: TP400.1@-41.6,-1.5 v4(-40.5,-1.5) ; v2(-32.975,-18.9) C404.2@-32.15,-18.9 ; v2(-30.875,-23.175) C414.2@-30.875,-22.375 C413.2@-30,-22.375 ; v2(-27.425,-4.225) -26.9,-4.225 ; v6(-26.975,-18.825) U400.H8@-26.65,-19.15 ; v2(-26.8,-15.1) C405.2@-25.975,-15.1 C406.2@-25.975,-16 -25.975,-16.9 -25.35,-17.525 U400.F10@-25.35,-17.85 ; U400.H3@-26.65,-22.4 v5(-26.325,-22.725) ; U400.F5@-25.35,-21.1 v6(-25.025,-20.775) U400.E6@-24.7,-20.45 ; C415.2@-24.9,-26.4 C412.2@-24.9,-25.5 v2(-24.9,-24.825) ; U400.E2@-24.7,-23.05 v6(-24.375,-22.725) ; U400.C3@-23.4,-22.4 v5(-23.075,-22.075) ; U400.C8@-23.4,-19.15 v6(-23.075,-18.825) ; U400.B10@-22.75,-17.85 -22.75,-16.175 C410.2@-22.925,-16 C409.2@-22.925,-15.1 v2(-22.1,-15.1) ; C411.2@-19.325,-21.3 v4(-18.525,-21.3) ; v4(-17.8,-19.1) C402.2@-17.8,-18.375 R423.1@-16.925,-18.375 ; C400.2@-16.9,-21.225 -16.375,-21.225 -16.125,-20.975 v4(-16.125,-20.275) C401.2@-16.9,-20.275 ; R106.1@-15.55,-8.5 R104.1@-14,-8.5 -14,-9.225 -13.65,-9.575 v2(-11.95,-9.575) ; Q102.2@-13.45,-15.95 -11.95,-15.95 R107.1@-11.8,-16.1 v4(-11.1,-16.1) ; Q400.4@-2.575,-9.725 -2.15,-9.725 -1.9,-9.975 -1.9,-10.8 R413.1@-1.6,-11.1 v4(-0.775,-11.1)
  Bottom Layer LF-signals w0.2: v1@-39.1,-57.251 v1(-39.077,-57.228) ; R110.1@-35.325,-10.95 v2(-35.325,-9.95) ; v1(-28.988,-11.437) -28.725,-11.7 Q105.4@-28.275,-11.7 ; U100.7@-28.825,-5.15 -27.675,-5.15 U100.9@-27.425,-5.4 ; v1(-28.126,-50.427) v1@-28.077,-50.427 ; Q105.1@-26.975,-13.55 -26.975,-14.325 -26.8,-14.5 v2(-26.8,-15.1) ; v2@-26.9,-6.725 -26.9,-4.225 ; v2(-25.375,-3.4) -25.375,-3.875 -24.948,-4.302 C101.2@-24.425,-4.302
  Bottom Layer LF-signals w0.3: R105.1@-21.875,-9.775 C103.2@-21.875,-8.575 ; C103.2@-21.8,-8.5 v4(-21.8,-7.825)
  other v2: -26.925,-7.975 -26.925,-6.75
  other v4: -3.875,-7.025 -22.7,-6.975
ID1: J200.1@-6.97,-28.73 R409.1 U400.A1 | length 18.5
  Bottom Layer LF-signals w0.175: U400.A1@-22.1,-23.7 -21.225,-24.575 -8.925,-24.575 R409.1@-7,-26.5 -7,-28.7 J200.1@-6.97,-28.73
ID2: J201.1@-6.97,-64.29 R402.1 U400.B2 | length 61.1
  Bottom Layer LF-signals w0.125: U400.B2@-22.75,-23.05 -22.425,-23.375 -21.825,-23.375 ; J201.1@-6.978,-64.29 J201.1@-6.974,-64.286
  Bottom Layer LF-signals w0.175: -21.825,-23.375 -20.975,-24.225 -7.975,-24.225 R402.1@-7,-25.2 -6.35,-25.85 -4.375,-25.85 -1.918,-28.307 -1.918,-59.238 J201.1@-6.97,-64.29
ID3: J202.1@-18.57,-93.03 R401.1 U400.B3 | length 104.9
  Bottom Layer LF-signals w0.125: U400.B3@-22.75,-22.4 -22.425,-22.725 -21.875,-22.725
  Bottom Layer LF-signals w0.175: -21.875,-22.725 -20.7,-23.9 R401.1@-7,-23.9 -6.4,-24.5 -4.575,-24.5 -1.5,-27.575 -1.5,-91.3 -3.23,-93.03 J202.1@-18.57,-93.03
INPUT_VOLTAGE_DETECTED: pad.3@-10.475,-14.9 Q100.2 Q101.3 Q102.1 R107.2 U101.2 | length 19.9
  Top Layer LF-signals w0.125: v4@-10.475,-11.425 v4@-10.305,-11.425
  Top Layer LF-signals w0.175: v4(-10.8,-5.675) -10.305,-6.17 -10.305,-11.425 -10.305,-11.43 v4(-10.325,-11.45)
  Bottom Layer LF-signals w0.125: U101.2@-15.65,-5.675 v4(-10.8,-5.675) ; Q100.2@-11.45,-11.45 -10.5,-11.45 v4@-10.475,-11.425
  Bottom Layer LF-signals w0.175: R107.2@-11.8,-14.9 pad.3@-10.475,-14.9
  Bottom Layer LF-signals w0.2: Q101.3@-13.45,-11.45 Q102.1@-13.45,-14.05 -13.1,-14.05 -12.25,-14.9 R107.2@-11.8,-14.9
  Bottom Layer LF-signals w0.3: Q101.3@-13.45,-11.45 Q100.2@-11.45,-11.45
NetC402_1: C402.1 pad.3@-18.9,-19.65 R423.2 U400.C7 | length 8.4
  Bottom Layer LF-signals w0.125: U400.C7@-23.4,-19.8 -23.075,-20.125 -21.525,-20.125
  Bottom Layer LF-signals w0.175: -21.525,-20.125 -19.4,-20.125 -18.475,-19.2 -18.475,-18.1 C402.1@-17.8,-17.425 R423.2@-16.925,-17.425
NetC404_1: C404.1 L402.2 U400.J6 | length 5.7
  Bottom Layer LF-signals w0.125: -28.375,-20.775 -27.625,-20.775 U400.J6@-27.3,-20.45
  Bottom Layer LF-signals w0.175: C404.1@-31.2,-18.9 -31.375,-19.075 L402.2@-31.375,-20 -31.125,-20.25 v3(-29.85,-20.25) -28.9,-20.25 -28.375,-20.775
NetC405_1: C405.1 C406.1 pad.3@-25.575,-14.1 U400.E10 | length 4.1
  Bottom Layer LF-signals w0.175: pad.3@-25.575,-14.1 -25.025,-14.65 C405.1@-25.025,-15.1 C406.1@-25.025,-16 -24.987,-16.038 -24.987,-17.563 U400.E10@-24.7,-17.85
NetC407_1: C407.1 D402.4 J400.1 L401.1 | length 5.1
  Top Layer LF-signals w0.2: C407.1@-12.7,-8.725 C407.1@-12.7,-8.625
  Top Layer LF-signals w0.3: J400.1@-14.3,-5.15 D402.4@-14.3,-7.4 v3(-13.35,-7.4) L401.1@-12.7,-7.4 ; C407.1@-12.6,-8.625 L401.1@-12.6,-7.5
NetD301_2: D301.2 R303.1 | length 3
  Top Layer LF-signals w0.2: R303.1@-35.675,-12.55 -35.475,-12.35 -34.5,-12.35 D301.2@-34.15,-12 v3(-34.15,-13.225)
NetD400_1: D400.1 R411.2 | length 9.6
  Top Layer LF-signals w0.175: D400.1@-8.75,-3.55 -5.6,-6.7 -5.6,-9.3 v3(-6.35,-10.05)
  Bottom Layer LF-signals w0.175: v3(-6.35,-10.05) R411.2@-5.3,-11.1
NetD401_1: D401.1 R412.2 | length 8.2
  Top Layer LF-signals w0.175: D401.1@-6.5,-3.55 -2.8,-7.25 v3(-1.2,-7.25)
  Bottom Layer LF-signals w0.175: R412.2@-1.2,-8.6 v3(-1.2,-7.25)
NetJ302_1: J302.1 XC300.1 | length 2.6
  Top Layer LF-signals w0.2: J302.1@-41.925,-54.375 -41.925,-53.425 -41.475,-52.975 XC300.1@-40.475,-52.975
NetQ101_1: pad.3@-17.1,-12.95 Q101.1 Q102.3 R103.1 | length 5.4
  Bottom Layer LF-signals w0.2: pad.3@-17.1,-12.95 R103.1@-17.1,-11.7 ; R103.1@-16.9,-11.925 -16.425,-12.4 Q101.1@-15.55,-12.4 Q102.3@-15.55,-15
NetQ103_1: pad.3@-23.575,-9.875 Q103.1 Q104.1 Q105.6 R112.2 | length 9.1
  Bottom Layer LF-signals w0.3: Q105.6@-26.9,-11.625 R112.2@-25.6,-11.625 -25.4,-11.425 Q104.1@-24.125,-11.425 ; pad.3@-23.575,-9.875 -24.125,-10.425 Q104.1@-24.125,-11.425 ; Q103.1@-20.575,-11.675 -21.375,-12.475 -23.35,-12.475 -24.125,-11.7 Q104.1@-24.125,-11.425
NetQ103_3: pad.3@-21.4,-13.825 Q103.3 Q104.3 | length 3.8
  Bottom Layer LF-signals w0.3: Q104.3@-23.175,-13.525 -22.875,-13.825 pad.3@-21.4,-13.825 -19.925,-13.825 Q103.3@-19.625,-13.525
NetQ105_2: pad.3@-27.625,-14.825 Q105.2 Q105.3 R111.1 | length 3.2
  Bottom Layer LF-signals w0.2: pad.3@-27.625,-14.825 Q105.2@-27.625,-13.55
  Bottom Layer LF-signals w0.3: R111.1@-29.6,-13.55 Q105.3@-28.275,-13.55 Q105.2@-27.625,-13.55
NetQ400_3: pad.3@-2.575,-6.55 Q400.3 R412.1 | length 3.8
  Bottom Layer LF-signals w0.175: pad.3@-2.575,-6.55 Q400.3@-2.575,-7.875 -2.575,-8.425 R412.1@-1.2,-9.8
NetQ400_6: pad.3@-4.1,-12.025 Q400.6 R411.1 | length 2.4
  Bottom Layer LF-signals w0.175: pad.3@-4.1,-12.025 R411.1@-4.1,-11.1 -3.875,-10.875 Q400.6@-3.875,-9.725
NetR100_1: pad.3@-28.8,-2.275 R100.1 R102.2 U100.8 | length 3.8
  Bottom Layer LF-signals w0.2: U100.8@-28.825,-4.65 -28.825,-3.425 R102.2@-28.8,-3.4 ; pad.3@-28.8,-2.35 pad.3@-28.8,-2.275 R102.2@-28.8,-3.4 ; R100.1@-27.475,-3.4 R102.2@-28.8,-3.4
NetR101_1: pad.3@-17.9,-2.3 R101.1 U101.1 | length 4.1
  Bottom Layer LF-signals w0.15: R101.1@-17.9,-3.5 -16.375,-5.025 U101.1@-15.65,-5.025
  Bottom Layer LF-signals w0.2: R101.1@-17.9,-3.5 pad.3@-17.9,-2.3
NetR106_2: pad.3@-17.95,-8.5 R106.2 U101.4 | length 3.5
  Bottom Layer LF-signals w0.175: R106.2@-16.75,-8.5 -16.75,-7.45 -16.275,-6.975 U101.4@-15.65,-6.975
  Bottom Layer LF-signals w0.2: pad.3@-17.95,-8.5 R106.2@-16.75,-8.5
NetR302_1: R302.1 SW300.3 SW300.4 TP300.1 | length 12.3
  Top Layer LF-signals w0.125: SW300.4@-30.8,-1.525 v4(-30.075,-1.525)
  Top Layer LF-signals w0.2: R302.1@-31.15,-9.85 -31,-9.7 SW300.3@-31,-7.65 SW300.4@-31,-2.15 -30.9,-2.05 -30.9,-1.425 SW300.4@-30.8,-1.525
  Bottom Layer LF-signals w0.175: TP300.1@-32.975,-1.525 v4(-30.075,-1.525)
NetR304_1: R304.1 SW301.3 SW301.4 TP301.1 | length 10.2
  Top Layer LF-signals w0.175: v4(-24.925,-1.5) -24.3,-1.5 -24,-1.8 SW301.4@-24,-2.15 SW301.3@-24,-7.65 -24,-9.7 R304.1@-24.1,-9.8
  Bottom Layer LF-signals w0.175: TP301.1@-26,-1.5 v4(-24.925,-1.5)
NetR311_2: R311.2 U301.3 | length 3.1
  Top Layer LF-signals w0.2: v3(-46.15,-70.725) R311.2@-44.935,-70.725 U301.3@-44.935,-68.8
NetR312_1: R312.1 U301.7 | length 3
  Top Layer LF-signals w0.2: U301.7@-46.205,-63.212 R312.1@-46.205,-61.25 v3(-45.175,-61.25)
PA00_XIN32: C302.1 U300.1 XC300.2 | length 8.3
  Top Layer LF-signals w0.2: XC300.2@-40.475,-50.375 C302.1@-38.775,-50.375 -38,-50.375 -37.725,-50.65 -37.725,-53.775 -37.25,-54.25 U300.1@-35.575,-54.25
PA01_XOUT32: C303.1 J302.2 U300.2 | length 4.8
  Top Layer LF-signals w0.2: J302.2@-40.225,-54.375 C303.1@-38.775,-54.375 -37.825,-54.375 -37.45,-54.75 U300.2@-35.575,-54.75
PA02_ADC0: J202.3@-21.11,-93.03 U300.3 | length 57.5
  Top Layer LF-signals w0.175: U300.3@-35.575,-55.25 -40.45,-55.25 -41.925,-56.725 -41.925,-63.35 -34.29,-70.985 v1(-34.29,-88.214) -34.439,-88.214 v1@-34.265,-88.04
  Bottom Layer LF-signals w0.175: v1(-34.29,-88.214) -34.439,-88.214 -34.439,-88.225 -25.915,-88.225 J202.3@-21.11,-93.03
PA03_ADC1: J202.4@-21.11,-95.57 J307.1@-45.675,-46.09 | length 79.7
  Top Layer LF-signals w0.2: J307.1@-45.675,-46.09 -50.575,-50.99 -50.575,-89.95 -42.55,-97.975 -23.515,-97.975 J202.4@-21.11,-95.57
PA03_ADC1_USB_ID: J307.2@-45.675,-43.55 U300.4 | length 19.9
  Top Layer LF-signals w0.2: J307.2@-45.675,-43.55 -42.3,-43.55 -34.4,-51.45 -34.4,-55.475 -34.675,-55.75 U300.4@-35.575,-55.75
PA03_USB_ID: J307.3@-45.675,-41.01 R309.2 | length 2.3
  Top Layer LF-signals w0.2: J307.3@-45.675,-41.01 R309.2@-45.675,-38.7